# Altium PCB clock_core_PCB.PcbDoc (part 1 of 3)
Units mm, origin at the board's own origin, x right, y up, seen from the top; angles counter-clockwise.
Board outline 163.83 x 199.04 mm, 2 copper layers (Top Layer, Bottom Layer), stack 1.571 mm thick; 144 components, 217 nets, 791 pads, 447 vias.
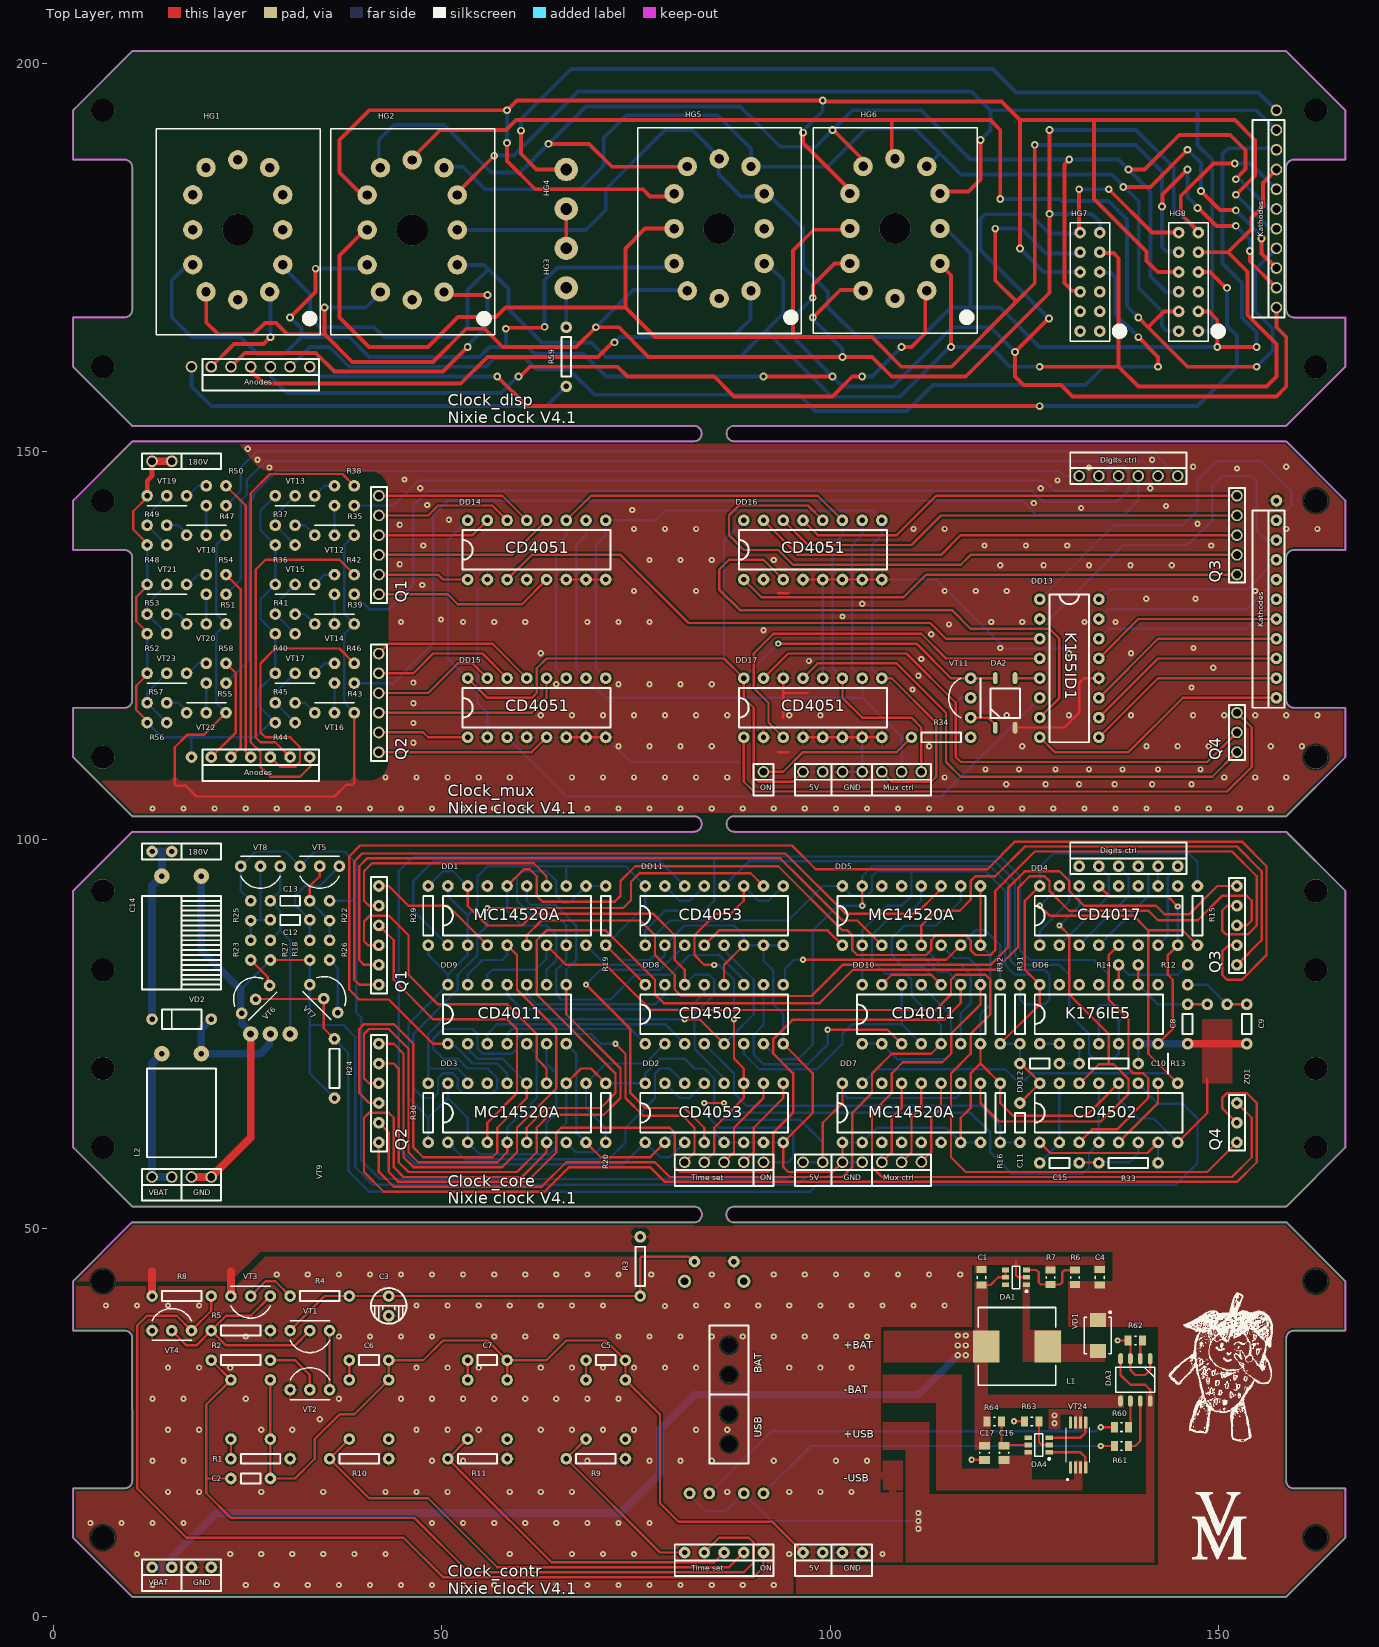
[diagram p0: Top Layer view]
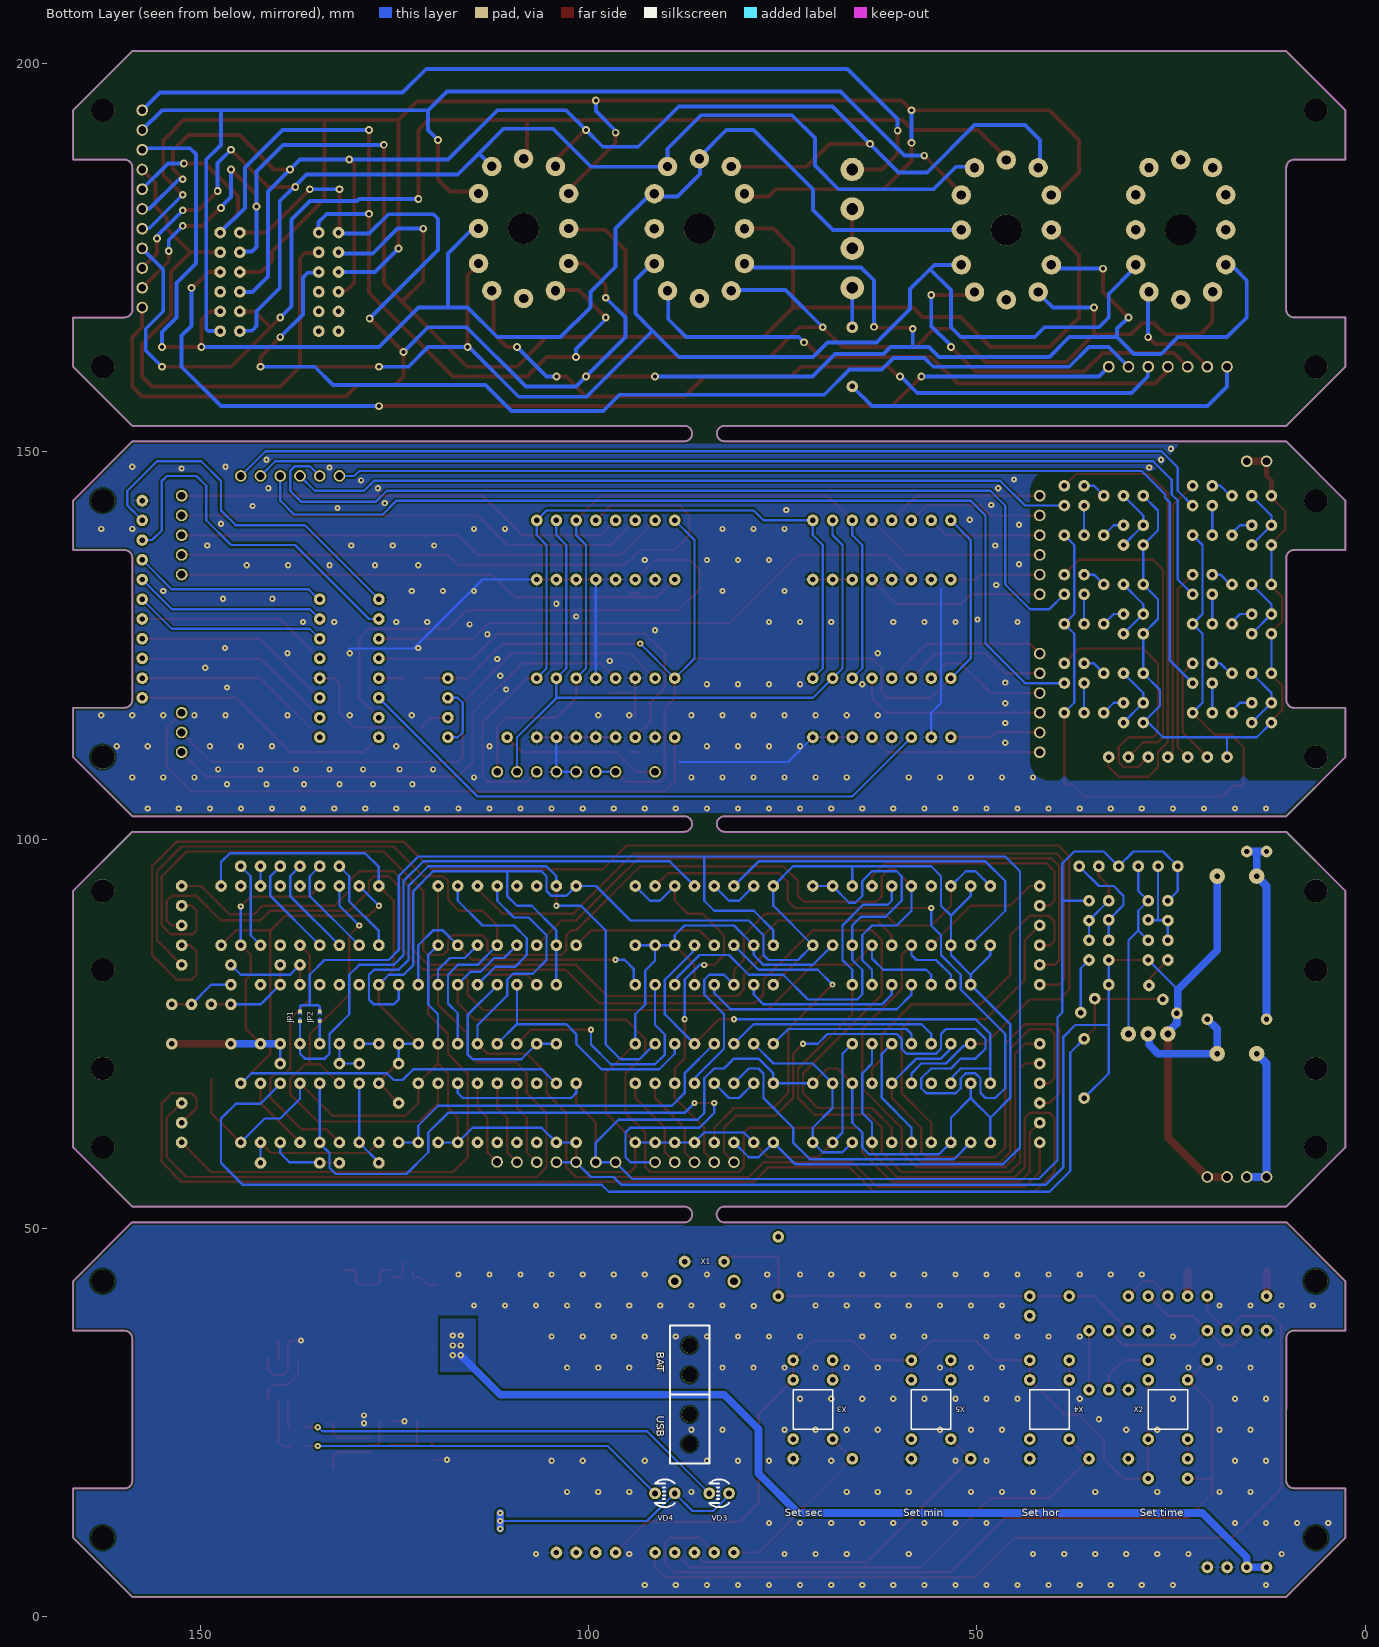
[diagram p1: Bottom Layer view, seen from below]
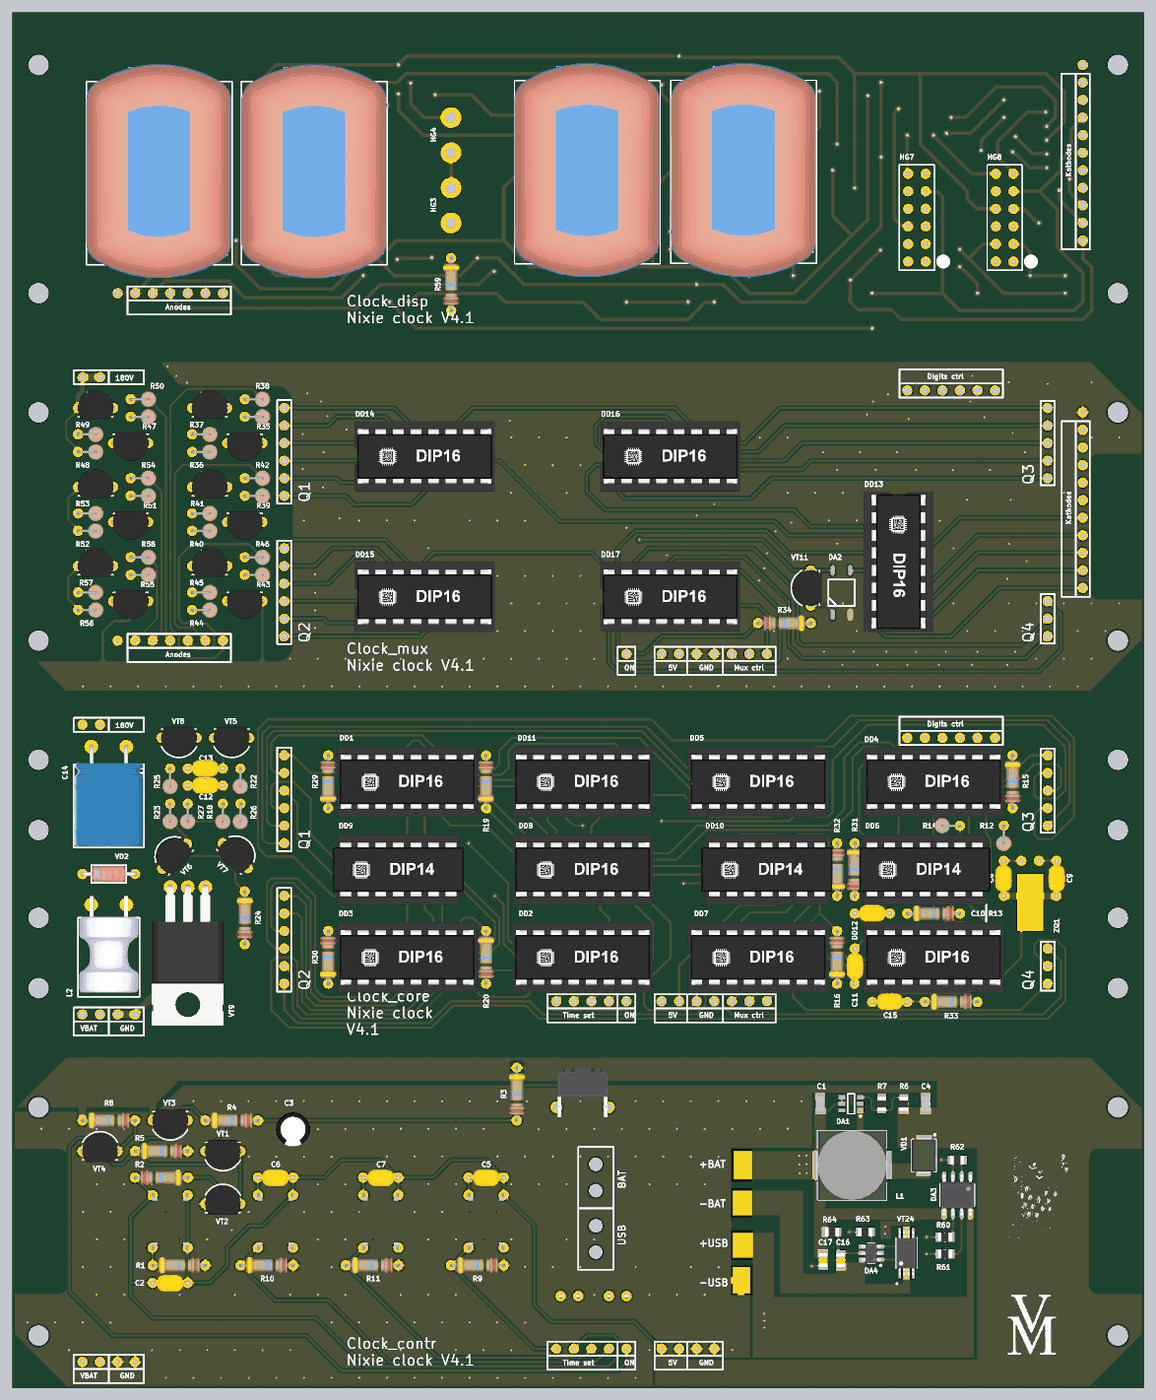
[diagram p4: 3D render of the assembled board from above, using the file's embedded part models]
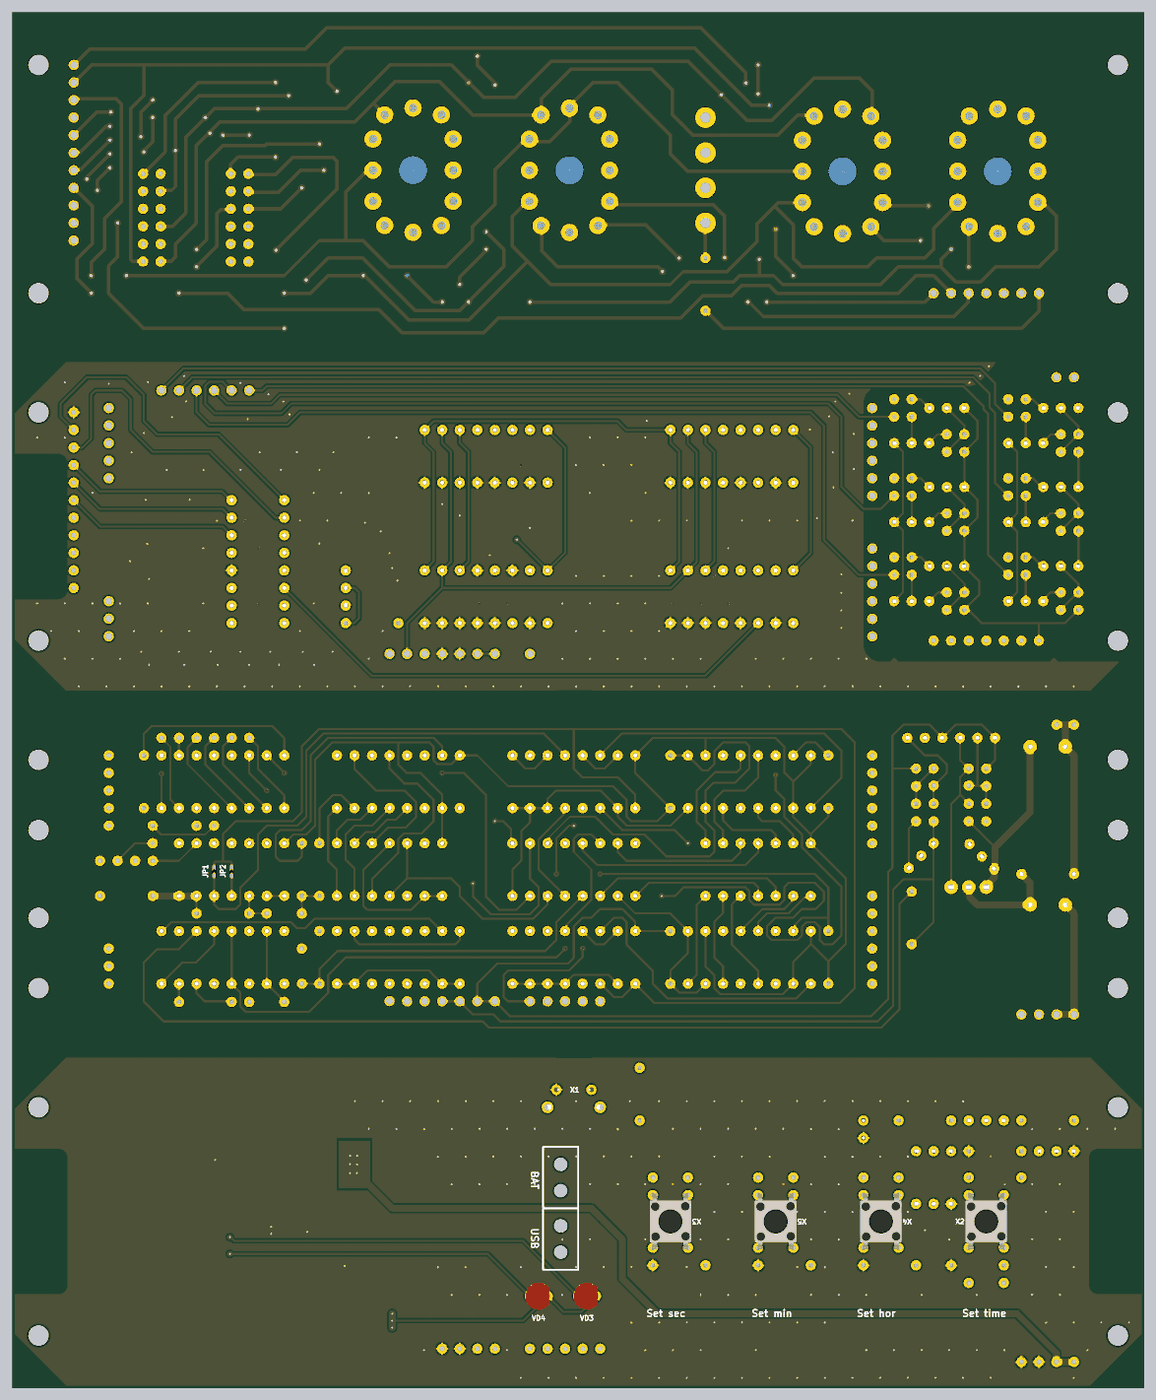
[diagram p5: 3D render of the assembled board from below, using the file's embedded part models]

## Layer stack, top to bottom
Top Solder: solder mask 0.0254, SM-001, Dk 4
Top Layer: signal copper 0.0356
Dielectric 1: dielectric 1.5, FR-4, Dk 4.8
Bottom Layer: signal copper 0.0356
Bottom Solder: solder mask 0.0254, SM-001, Dk 4

## Board outline
10.16,2.54 2.54,10.16 2.54,16.51 9.125,16.51 9.161,16.524 ccw(c9.161,17.524) 10.161,17.524 10.16,17.524 10.15,35.85 10.151,35.836 ccw(c9.151,35.836) 9.151,36.836 9.14,36.835 2.54,36.835 2.54,43.18 10.112,50.752 10.1,50.75 82.475,50.75 ccw(c82.475,51.775) 82.475,52.8 10.16,52.8 2.54,60.42 2.54,93.44 10.16,101.06 10.15,101.05 82.525,101.05 82.475,101.067 ccw(c82.475,102.067) 82.475,103.067 82.55,103.05 10.21,103.05 10.16,103.06 2.54,110.68 2.54,117.03 9.175,117.03 9.15,117.025 ccw(c9.15,118.025) 10.15,118.025 10.15,136.35 10.151,136.336 ccw(c9.151,136.336) 9.151,137.336 9.2,137.35 2.54,137.35 2.54,143.7 10.165,151.325 82.45,151.325 82.475,151.334 ccw(c82.475,152.334) 82.475,153.334 82.475,153.325 10.135,153.325 10.16,153.32 2.54,160.94 2.54,167.29 9.2,167.29 9.161,167.299 ccw(c9.161,168.299) 10.161,168.299 10.175,168.3 10.175,186.625 10.151,186.611 ccw(c9.151,186.611) 9.151,187.611 9.15,187.61 2.54,187.61 2.54,193.96 3.175,194.595 10.16,201.58 158.75,201.58 166.37,193.96 166.37,187.625 159.725,187.625 159.749,187.611 ccw(c159.749,186.611) 158.749,186.611 158.75,186.625 158.75,168.25 158.739,168.299 ccw(c159.739,168.299) 159.739,167.299 159.725,167.275 166.37,167.275 166.37,160.94 158.75,153.32 158.725,153.325 87.65,153.325 87.675,153.334 ccw(c87.675,152.334) 87.675,151.334 87.625,151.325 158.745,151.325 166.37,143.7 166.37,137.35 159.725,137.35 159.749,137.336 ccw(c159.749,136.336) 158.749,136.336 158.75,136.35 158.75,118 158.739,118.024 ccw(c159.739,118.024) 159.739,117.024 159.725,117.03 166.37,117.03 166.37,110.68 158.74,103.05 87.725,103.05 87.675,103.067 ccw(c87.675,102.067) 87.675,101.067 87.7,101.05 158.76,101.05 166.37,93.44 166.37,60.42 158.75,52.8 87.675,52.8 ccw(c87.675,51.775) 87.675,50.75 87.65,50.75 158.8,50.75 166.37,43.18 166.37,36.83 159.78,36.83 159.749,36.811 ccw(c159.749,35.811) 158.749,35.811 158.75,35.8 158.75,17.525 158.739,17.499 ccw(c159.739,17.499) 159.739,16.499 159.765,16.51 166.37,16.51 166.37,10.16 158.75,2.54

## Design rules (kind name [scope] priority, off if disabled: settings)
BoardOutlineClearance [All] p1: gap=0.254 ignorepadtopadclearanceinfootprint=FALSE except(0: Arc-SplitContinuation Track-SplitContinuation SMDPad-SplitContinuation THPad-SplitContinuation Via-SplitContinuation Fill-SplitContinuation Poly-SplitContinuation Region-SplitContinuation Text-SplitContinuation)
Clearance [All] p1: gap=0.24 ignorepadtopadclearanceinfootprint=FALSE except(0.1: Arc-Region Track-Region SMDPad-Region THPad-Region Via-Region Fill-Region Poly-Region Region-Region)
ComponentClearance [All] p1: gap=0 collisioncheckmode=3 verticalgap=0 showdistances=FALSE
FanoutControl Fanout_LCC [All] p1 off: bgadir=Out bgaviamode=Centered fanoutstyle=Auto fanoutdirection=Alternating viagrid=0.025 // Protel DXP Scope 1 Expression Was: IsLCC   Fanout_LCC (Default Rule)
FanoutControl Fanout_BGA [All] p2 off: bgadir=Out bgaviamode=Centered fanoutstyle=Auto fanoutdirection=Alternating viagrid=0.025 // Protel DXP Scope 1 Expression Was: IsBGA   Fanout_BGA (Default Rule)
FanoutControl Fanout_SOIC [All] p3 off: bgadir=Out bgaviamode=Centered fanoutstyle=Auto fanoutdirection=Alternating viagrid=0.025 // Protel DXP Scope 1 Expression Was: IsSOIC   Fanout_SOIC (Default Rule)
FanoutControl Fanout_Default [All] p4: bgadir=Out bgaviamode=Centered fanoutstyle=Auto fanoutdirection=Alternating viagrid=0.025 // Fanout_Default (Default Rule)
FanoutControl Fanout_Small [All] p5 off: bgadir=Out bgaviamode=Centered fanoutstyle=Auto fanoutdirection=Alternating viagrid=0.025 // Protel DXP Scope 1 Expression Was: (CompPinCount < 5)   Fanout_Small (Default Rule)
Height [All] p1: minheight=0 maxheight=50 prefheight=12.7
HoleSize [All] p1: absolutevalues=TRUE maxlimit=3 minlimit=0.025 maxpercent=80.000 minpercent=20.000
MinimumAnnularRing [All] p1: minimumring=0.25
MinimumSolderMaskSliver [All] p1: minsoldermaskwidth=0.1
PolygonConnect PolygonConnect_1 [InNetClass('5v_sup')] p1: connectstyle=Direct reliefconductorwidth=0.254 reliefentries=4 polygonreliefangle="90 Angle" airgapwidth=0.254
PolygonConnect PolygonConnect_power [IsVia] p2: connectstyle=Direct reliefconductorwidth=0.254 reliefentries=4 polygonreliefangle="90 Angle" airgapwidth=0.254
PolygonConnect [All] p3: thpad.connectstyle=Relief thpad.reliefconductorwidth=0.3 thpad.reliefentries=4 thpad.polygonreliefangle="90 Angle" thpad.airgapwidth=0.3 smdpad.connectstyle=Direct smdpad.reliefconductorwidth=0.3 smdpad.reliefentries=4 smdpad.polygonreliefangle="90 Angle" smdpad.airgapwidth=0.3 via.connectstyle=Relief via.reliefconductorwidth=0.3 via.reliefentries=4 via.polygonreliefangle="90 Angle" via.airgapwidth=0.3
RoutingVias [All] p1: holewidth=1 width=2 viastyle="Through Hole" minholewidth=0.3 minwidth=0.5 maxholewidth=1 maxwidth=2
SilkToSilkClearance [All] p1: silktosilkclearance=0.15
SilkToSolderMaskClearance [All] p1 off: minsilkscreentomaskgap=0.254 clearancetoexposedcopper=TRUE // Protel DXP Scope 1 Expression Was: IsPad
SolderMaskExpansion SolderMaskExpansion_tendedVias [IsVia] p1: expansion=0.102 istentingtop=TRUE
SolderMaskExpansion [All] p2: expansion=0.102 istentingtop=FALSE
Width [All] p1: maxlimit=1.5 minlimit=0.23 preferedwidth=0.3 minimp=50.000000 maximp=50.000000 favimp=50.000000
19 further rules are at their usual default settings.

## Classes and differential pairs
component class clock_contr: C1 C2 C3 C4 C5 C6 C7 C16 C17 DA1 DA3 DA4 L1 R1 R2 R3 R4 R5 R6 R7 R8 R9 R10 R11 R60 R61 R62 R63 R64 VD1 VD3 VD4 VT1 VT2 VT3 VT4 VT24 X1 X2 X3 X4 X5
component class clock_pow: HG1 HG2 HG3 HG4 HG5 HG6 HG7 HG8 R59
component class clock_mux: DA2 DD13 DD14 DD15 DD16 DD17 R34 R35 R36 R37 R38 R39 R40 R41 R42 R43 R44 R45 R46 R47 R48 R49 R50 R51 R52 R53 R54 R55 R56 R57 R58 VT11 VT12 VT13 VT14 VT15 VT16 VT17 VT18 VT19 VT20 VT21 VT22 VT23
component class clock_core: C8 C9 C10 C11 C12 C13 C14 C15 DD1 DD2 DD3 DD4 DD5 DD6 DD7 DD8 DD9 DD10 DD11 DD12 JP1 JP2 L2 R12 R13 R14 R15 R16 R18 R19 R20 R22 R23 R24 R25 R26 R27 R29 R30 R31 R32 R33 VD2 VT5 VT6 VT7 VT8 VT9 ZQ1

## Components (designator, comment, footprint, x,y, rotation, side; value= is the part's Value field where it differs from the comment)
C1 "C0805" CAP0805#1 119.507,43.688 r270 top value=22u
C2 "C" CAP_THT 22.86,17.78 r0 top value="10 n"
C3 "C+" CAP_POL 43.18,41.275 r270 top value="47 u"
C4 "C0805" CAP0805#1 134.747,43.688 r270 top value=22u
C5 "C" CAP_THT 68.58,33.02 r0 top value="10 n"
C6 "C" CAP_THT 38.1,33.02 r0 top value="10 n"
C7 "C" CAP_THT 53.34,33.02 r0 top value="10 n"
C8 "C" CAP_THT 146.05,78.835 r270 top value=56p
C9 "C" CAP_THT 153.67,73.755 r90 top value=10p
C10 "C" CAP_THT 129.54,71.215 r180 top value=100n
C11 "C" CAP_THT 124.46,61.055 r90 top value=100n
C12 "C" CAP_THT 33.02,89.715 r180 top value=200p
C13 "C" CAP_THT 33.02,92.17 r180 top value=2n
C14 "C+" CAP_HIGH_VOLT 13.97,95.345 r0 top value="4.7 u"
C15 "C" CAP_THT 132.08,58.42 r180 top value=10n
C16 "C" CAP0805#2 122.428,21.082 r90 top value=100n
C17 "C" CAP0805#2 119.888,21.082 r90 top value=10u
DA1 "SX1308" SOT23-6 123.952,43.688 r180 top
DA2 "CPC1008NTR" CPC1008NTR 121.285,114.45 r0 top
DA3 "TP4056" SOIC-8 139.319,30.48 r270 top
DA4 "DW01A" SOT23-6 126.873,22.098 r180 top
DD1 "К561ИЕ10" DIP-16 50.8,86.455 r90 top
DD2 "CD4053" DIP-16 76.2,61.055 r90 top
DD3 "К561ИЕ10" DIP-16 50.8,61.055 r90 top
DD4 "К561ИЕ8" DIP-16 127,86.455 r90 top
DD5 "К561ИЕ10" DIP-16 101.6,86.455 r90 top
DD6 "К176ИЕ5" DIP-14 127,73.755 r90 top
DD7 "К561ИЕ10" DIP-16 101.6,61.055 r90 top
DD8 "К561ЛН1" DIP-16 76.2,73.755 r90 top
DD9 "К561ЛА7" DIP-14 50.8,73.755 r90 top
DD10 "К561ЛА7" DIP-14 104.14,73.755 r90 top
DD11 "CD4053" DIP-16 76.2,86.455 r90 top
DD12 "К561ЛН1" DIP-16 127,61.055 r90 top
DD13 "К155ИД1" DIP-16 127,131 r0 top
DD14 "К561КП2" DIP-16 53.34,133.54 r90 top
DD15 "К561КП2" DIP-16 53.34,113.22 r90 top
DD16 "К561КП2" DIP-16 88.9,133.54 r90 top
DD17 "К561КП2" DIP-16 88.9,113.22 r90 top
HG1 "ИН-12" IN-12-NO-SOKET 23.745,178.58 r0 top
HG2 "ИН-12" IN-12-NO-SOKET 46.205,178.56 r0 top
HG3 "ИНА_ТН_02" INA_TN_02 66.04,171.1 r90 top
HG4 "ИНА_ТН_02" INA_TN_02 66.04,181.26 r90 top
HG5 "ИН-12" IN-12-NO-SOKET 85.725,178.72 r0 top
HG6 "ИН-12" IN-12-NO-SOKET 108.363,178.737 r0 top
HG7 "ИН-17" IN-17 132.2,165.52 r0 top
HG8 "ИН-17" IN-17 144.9,165.52 r0 top
JP1 "Jumper" JP 137.16,77.43 r90 bottom
JP2 "Jumper" JP 134.62,77.43 r90 bottom
L1 "L" L_SMD 124.092,34.798 r0 top value=10uH
L2 "L" IND 13.97,72.485 r0 top value="220 u"
R1 "R" RES-DIP 30.48,20.32 r180 top value="4.7 k"
R2 "R" RES-DIP 20.32,33.02 r0 top value=100R
R3 "R" RES-DIP 75.565,41.275 r90 top value="47 k"